# KiCad board LTC6811_ESP32_V3.kicad_pcb (continued)
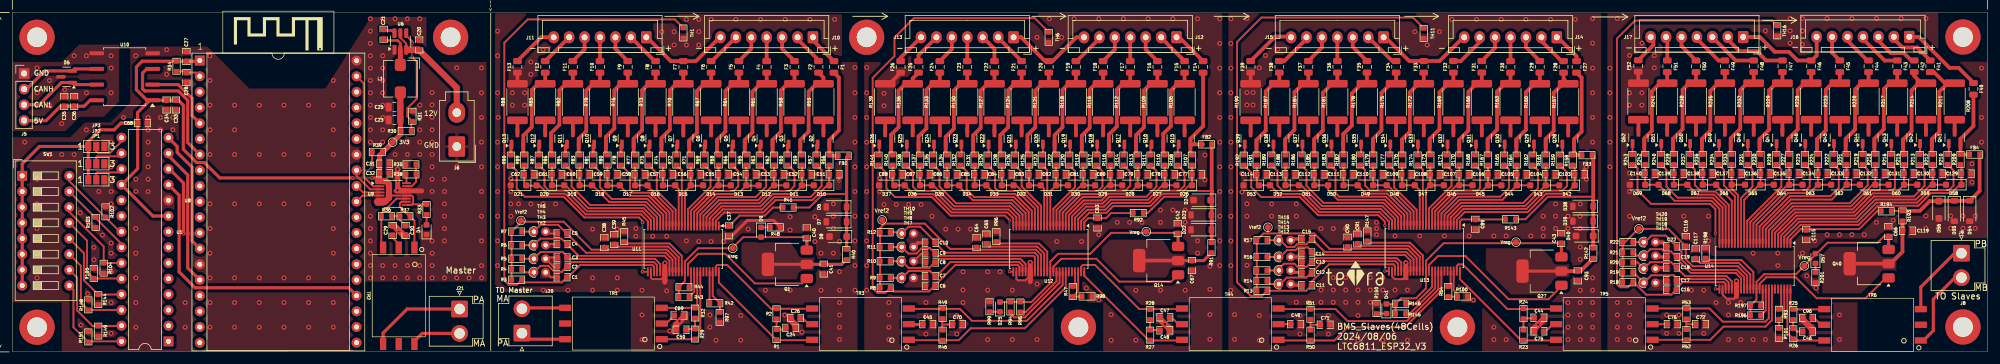
[diagram p0: board, top side]
## Routing (per net, layer and track width the routed paths; a pad name or vN(x,y) marks a point on that pad's centre or on a via; arc(x,y) is an arc through that point)
+3V3: length 167.7
  Top w0.3: 61.23,25.31 U9.12 64.68,25.31 64.92,25.06 64.92,24.02 64.72,23.81 ; 64.72,23.81 64.79,23.88 R33.2 ; 64.72,23.81 U9.9 ; 62.82,37.56 62.83,37.55 ; 63.05,37.36 62.86,37.55
  Top w0.5: v1(58.28,28.16) 59.39,28.16 ; U1.18 22.76,21.99 U1.9 ; 20.3,37.13 20.3,29.66 17.71,27.07 ; JP3.1 4.4,33.26 1.6,30.46 SW1.8 ; JP3.1 JP1.1 ; JP3.1 12.3,34.06 14.2,35.96 16.5,35.96 17.6,37.06 C68.2 ; v1(55.2,28.16) 33.6,28.16 31.11,30.65 29.86,30.65 27.7,32.81 27.7,39.96 26.9,40.76 22.73,40.76 U10.1 ; 23.51,40.75 U10.1 ; U10.1 21.81,40.75 20.1,42.46 20.1,46.16 21.02,47.08 R34.1 26.62,47.06 C27.2 30.25,47.06 U8.1 ; U10.1 22.29,40.75 20.27,38.73 20.27,37.16
  Top w0.8: 59.49,27.93 59.49,31.82 62.86,35.19 62.86,37.55
  Top w1: 62.86,41.75 62.86,37.55 ; 59.22,27.66 60.52,27.66 61.02,27.16 61.02,24.95 60.37,24.31 59.07,24.31
  Bottom w0.5: v1(58.28,28.16) 58.27,28.15 55.21,28.15 v1(55.2,28.16)
/CAN/5V_CAN: length 13.1
  Top w0.5: 1.93,37.45 5.47,37.45 7.8,39.78 C36.2 11.62,39.78 12.59,40.75 U10.8
/PowerSupply/+12V: length 19
  Top w0.3: U6.5 62.86,50.88 63.81,49.93 U6.3
  Top w1: J6.2 72,42.78 65.85,48.93 64.62,48.93 ; 63.96,48.92 63.97,48.93 C20.1
GND: length 14.2
  Top w0.3: 63.85,26.06 U9.13
  Top w0.5: C30.1 63.15,18.88 62.6,19.43 v1(62.6,19.46) 62.58,19.46 C29.2
  Top w0.8: 63.42,26.06 66.3,26.06 ; 63.42,26.06 62.92,26.06 62.42,26.56 v2(62.42,29.56) ; 63.42,26.06 62.5,26.06 v2(62.4,26.16) 62.3,26.06 62.17,26.06
  Top w1: C29.2 61.84,20.43 63.39,18.88 C30.1
  vias: v2(2,33.96) v2(4,27.96) v2(4,23.96) v2(4,19.96) v2(4,15.96) v2(4,11.96) v2(6,31.96) v2(8,31.96) v2(10,31.96) v2(11,22.5) v2(11.1,4.3) v2(12,35.96) v2(12.2,21.2) v2(12.2,9.4) v2(13.2,16.9) v2(13.2,14.9) v2(14,25.96) v2(14.6,18.9) v2(16,33.96) v2(16,29.96) v2(16,27.96) v2(16,25.96) v2(16,23.96) v2(16,17.6) v2(16,15.96) v2(16,12.96) v2(16,7.96) v2(16,2.96) v2(18,37.96) v2(20,47.96) v2(20,27.96) v2(20,25.96) v2(20,19.96) v2(20,15.96) v2(20,11.96) v2(20,7.96) v2(20,3.96) v2(22,37.96) v2(22,35.96) v2(22,33.96) v2(22,31.96) v2(22,29.96) v2(22,27.96) v2(22,25.96) v2(24,37.96) v2(24,35.96) v2(25,48.96) v2(25,44.96) v2(26,37.96) v2(26,35.96) v2(28,7.96) v2(28,3.96) v2(32,47.96) v2(32,43.96) v2(32,39.96) v2(32,35.96) v2(32,31.96) v2(32,23.96) v2(32,19.96) v2(32,15.96) v2(32,11.96) v2(32,7.96) v2(32,3.96) v2(36,39.96) v2(36,35.96) v2(36,31.96) v2(36,23.96) v2(36,11.96) v2(36,7.96) v2(36,3.96) v2(40,39.96) v2(40,31.96) v2(40,23.96) v2(40,11.96) v2(40,7.96) v2(40,3.96) v2(44,39.96) v2(44,31.96) v2(44,23.96) v2(44,11.96) v2(44,7.96) v2(44,3.96) v2(48,39.96) v2(48,31.96) v2(48,23.96) v2(48,11.96) v2(48,7.96) v2(48,3.96) v2(52,43.96) v2(52,39.96) v2(52,35.96) v2(52,31.96) v2(52,23.96) v2(52,19.96) v2(52,15.96) v2(52,11.96) v2(52,7.96) v2(52,3.96) v2(58,53.96) v2(58,51.96) v2(58,49.96) v2(58,47.96) v2(58,45.96) v2(58,43.96) v2(58,41.96) v2(58,39.96) v2(58,37.96) v2(58,35.96) v2(58,33.96) v2(58,21.96) v2(58,19.96) v2(58,17.96) v2(58,15.96) v2(58,13.96) v2(58,11.96) v2(60,53.96) v2(60,47.96) v2(60,45.96) v2(60,43.96) v2(60,41.96) v2(60,39.96) v2(60,37.96) v2(60,35.96) v2(60,33.96) v2(60,13.96) v2(60,11.96) v2(62,53.96) v2(62,31.96) v2(62,13.96) v2(62,11.96) v2(62.42,27.71) v2(64,53.96) v2(64,33.96) v2(64,31.96) v2(64,13.96) v2(64,11.96) v2(66,53.96) v2(66,51.96) v2(66,39.96) v2(66,37.96) v2(66,35.96) v2(66,33.96) v2(66,31.96) v2(66,13.96) v2(66,11.96) v2(68,42) v2(68,40) v2(68,38) v2(68,35.96) v2(68,33.96) v2(68,31.96) v2(68,29.96) v2(68,27.96) v2(68,25.96) v2(68,17.96) v2(68,15.96) v2(68,13.96) v2(68,11.96) v2(70,27.96) v2(70,25.96) v2(70,23.96) v2(70,21.96) v2(70,19.96) v2(70,17.96) v2(70,11.96) v2(72,46) v2(72,30) v2(72,11.96) v2(74,11.96) v2(76,46) v2(76,41.96) v2(76,37.96) v2(76,33.96) v2(76,29.96) v2(76,25.96) v2(76,21.96) v2(76,17.96) v2(76,13.96) v2(76,11.96)
GND_PACK: length 139.2
  Top w0.3: U11.26 103.45,12.01 103.7,11.76 105.1,11.76 105.45,12.1 U11.30 105.45,11.51 105.7,11.26 105.95,11.51 U11.31 ; C1.2 87.19,12.06 TH2.2 ; 225.7,11.76 225.9,11.76 226,11.86 U13.31 U13.30 225.5,12.06 225.2,11.76 224.9,11.76 ; 225.7,11.76 224.9,11.76 ; 225.7,11.76 225.8,11.86 ; C5.2 86.71,19.15 TH5.2 ; TH4.2 86.58,17.45 C4.2 ; 278.9,8.56 279.55,9.21 U14.31 ; 278.9,8.56 277.75,8.56 277.05,9.26 U14.26 ; 278.9,8.56 279.05,8.71 ; C3.2 86.59,15.26 TH3.2 87.69,13.76 C2.2 ; 224.9,11.76 223.96,11.76 223.5,12.22 U13.26 ; TH8.2 147.19,15.86 147.93,15.86 ; U12.26 162.65,11.81 162.9,11.56 164.1,11.56 164.65,12.1 U12.30 U12.31 165.15,11.61
  Top w0.4: 225.8,13.06 225.8,11.86
  Top w0.5: C135.2 v1(290.27,28.86) ; C78.2 v1(189.1,28.76) ; C54.2 v1(121.4,28.76) ; C104.2 v1(250.8,28.76) ; C85.2 v1(158.3,28.76) ; TH9.2 146.69,17.66 C10.2 ; C19.2 266.39,15.36 TH19.2 ; C86.2 v1(153.8,28.76) ; C110.2 v1(222.8,28.76) ; C79.2 v1(184.7,28.76) ; C60.2 v1(94.4,28.76) ; 116.6,18.81 119.05,21.26 123.32,21.26 R48.2 ; C12.2 207.4,12.86 TH13.2 ; C53.2 v1(125.9,28.76) ; v2(255,29.96) 254.65,29.61 C103.2 ; C139.2 v1(271.57,28.86) ; TH20.2 267.35,17.76 C22.2 ; C131.2 v1(308.88,28.86) ; C11.2 207.29,10.76 TH12.2 ; C112.2 v1(213.5,28.76) ; TH15.2 207.29,18.26 C15.2 ; C137.2 v1(280.98,28.86) ; v1(90,28.76) C61.2 ; C87.2 v1(149.4,28.76) ; C136.2 v1(285.68,28.86) ; C14.2 208.93,15.36 ; 208.93,15.36 TH14.2 ; 208.93,15.36 C13.2 ; C58.2 v1(103.4,28.76) ; C84.2 v1(162.7,28.76) ; C105.2 v1(246.1,28.76) ; C18.2 266.5,13.66 ; C56.2 v1(112.3,28.76) ; C52.2 v1(130.4,28.76) ; C130.2 v1(313.57,28.86) ; C132.2 v1(304.27,28.86) ; C82.2 v1(171.5,28.76) ; C111.2 v1(218.1,28.76) ; C59.2 v1(98.9,28.76) ; C134.2 v1(294.98,28.86) ; C133.2 v1(299.57,28.86) ; C80.2 v1(180.4,28.76) ; C55.2 v1(116.9,28.76) ; C62.2 v1(85.5,28.76) ; C106.2 v1(241.5,28.76) ; C88.2 v1(145,28.76) ; 226.7,28.76 v1(227.5,28.76) ; C108.2 v1(232.1,28.76) ; C81.2 v1(175.9,28.76) ; C114.2 v1(204,28.76) ; C83.2 v1(167.05,28.76) ; C140.2 v1(266.98,28.86) ; C107.2 v1(236.9,28.76) ; C138.2 v1(276.27,28.86) ; C57.2 v1(107.8,28.76) ; C113.2 v1(208.7,28.76) ; C51.2 v1(133.9,27.66)
  Top w0.6: 81.83,43.46 F13.2 ; R241.1 263.4,43.55 F52.2 ; F26.2 142.1,43.42 R139.1 ; R190.1 F39.2
  Top w0.8: v2(279.3,11.43) 279.3,8.96 ; 105.7,11.26 v2(105.7,14.36) ; v2(164.9,14.46) 164.9,11.36 ; v2(225.75,14.41) 225.75,13.06
  Top w1: 107.55,4.06 107.55,4.39 v2(108.1,4.94) 108.78,5.62 C69.2 ; C47.2 185.93,5.25 186.7,4.47 v2(186.7,4.46) 186.71,4.46 187.47,3.7 C48.2 ; 246.52,3.3 246.52,3.71 247.2,4.39 v2(247.2,4.4) 247.21,4.4 248.07,5.26 ; C26.2 126.07,5.13 126.88,4.33 C24.2 ; C46.1 291.57,3.67 290.02,5.22 290.02,5.46
  vias: v2(78.6,51.96) v2(78.6,47.96) v2(78.6,41.96) v2(78.6,33.96) v2(78.6,29.96) v2(78.6,25.96) v2(78.6,21.96) v2(78.6,17.96) v2(78.6,13.96) v2(78.7,37.96) v2(80.75,28.06) v2(80.75,25.96) v2(80.75,23.96) v2(80.75,21.96) v2(81,41.96) v2(81,39.96) v2(82,23.96) v2(83,41.96) v2(83,39.96) v2(84,46.96) v2(84,44.96) v2(84,23.96) v2(86,48.96) v2(86,23.96) v2(86,9.96) v2(88,23.96) v2(90,9.96) v2(94,19.86) v2(94,11.96) v2(94,9.96) v2(98,19.86) v2(98,11.96) v2(98,9.96) v2(101,19.96) v2(101,18.71) v2(102,9.96) v2(102,5.96) v2(102,1.96) v2(103.75,18.71) v2(105.2,51.86) v2(106,18.71) v2(106,9.86) v2(106.5,3.36) v2(107.2,51.86) v2(107.2,49.71) v2(109.2,53.86) v2(109.2,49.71) v2(109.2,17.96) v2(111.2,53.86) v2(111.2,51.86) v2(111.2,49.71) v2(111.2,17.86) v2(113,5.96) v2(113,3.96) v2(113.2,53.86) v2(113.2,17.86) v2(114,1.86) v2(115.2,17.86) v2(117.2,53.86) v2(118,5.86) v2(118,1.86) v2(119.2,19.86) v2(121.2,53.86) v2(122,9.96) v2(125.1,5.96) v2(125.2,53.86) v2(126,21.86) v2(126,19.71) v2(126,9.96) v2(127.9,3.16) v2(129.2,53.86) v2(130,21.86) v2(130,17.86) v2(131,15.96) v2(131,9.96) v2(133,23.96) v2(133,21.96) v2(133,19.96) v2(133,15.96) v2(133.2,53.86) v2(134,17.86) v2(134,12.96) v2(134,9.96) v2(134,7.96) v2(134,5.96) v2(134,3.96) v2(134,1.96) v2(136.5,46.06) v2(136.5,41.96) v2(136.5,37.96) v2(136.5,33.96) v2(136.5,29.96) v2(136.5,25.96) v2(136.5,21.96) v2(136.5,17.96) v2(136.5,13.96) v2(136.5,9.96) v2(138.4,46.06) v2(138.4,41.96) v2(138.4,37.96) v2(138.4,33.96) v2(138.4,29.96) v2(138.4,25.96) v2(138.4,21.96) v2(138.4,17.96) v2(138.4,13.96) v2(138.4,9.96) v2(140.5,28.06) v2(140.5,25.96) v2(141.2,41.86) v2(141.2,39.86) v2(141.2,23.86) v2(142,7.96) v2(142,5.96) v2(142,3.96) v2(142,1.96) v2(143.2,23.86) v2(145.2,23.86) v2(147.2,23.86) v2(148,7.96) v2(148,5.86) v2(148,2.86) v2(149,21.96) v2(151.2,19.86) v2(153,5.86) v2(153,2.86) v2(153.2,19.86) v2(154,12.96) v2(154,10) v2(154,7.96) v2(155.2,19.86) v2(158,12.96) v2(158,9.96) v2(158,1.96) v2(160,12.96) v2(162,9.96) v2(162,1.96) v2(166,50.96) v2(166,10.96) v2(166,1.96) v2(168,53.96) v2(169.2,17.86) v2(170,50.96) v2(172,53.96) v2(173.2,17.86) v2(174,10.3) v2(176,53.96) v2(176,18.96) v2(176,8.4) v2(178,6) v2(178,1.86) v2(179,20.96) v2(180,53.96) v2(181,20.96) v2(182,9.96) v2(182,1.86) v2(183,20.96) v2(184,53.96) v2(186,22.96) v2(186,20.96) v2(186,9.96) v2(188,53.96) v2(188,22.96) v2(190,22.96) v2(190,20.96) v2(190,9.96) v2(192,53.96) v2(192,17.96) v2(192,15.96) v2(193.2,31.86) v2(193.2,27.86) v2(194,13.86) v2(194,10.1) v2(194,6) v2(194,2) v2(195.6,53.96) v2(195.6,49.96) v2(195.6,45.96) v2(195.6,41.96) v2(195.6,37.96) v2(195.6,33.96) v2(195.6,29.96) v2(195.6,25.96) v2(195.6,21.96) v2(195.6,17.96) v2(195.6,13.96) v2(197.4,53.96) v2(197.4,49.96) v2(197.4,45.96) v2(197.4,41.96) v2(197.4,37.96) v2(197.4,33.96) v2(197.4,29.96) v2(197.4,25.96) v2(197.4,21.96) v2(197.4,17.96) v2(197.4,13.96) v2(197.4,9.96) v2(198,6) v2(198,2) v2(199.2,28.86) v2(199.2,25.86) v2(200,54) v2(200,42) v2(200,40) v2(200,23.96) v2(200,21.96) v2(200,18) v2(200,14) v2(201,42) v2(201,40) v2(202,46) v2(202,5.86) v2(202,1.86) v2(203,48) v2(204,23.96) v2(204,21.96) v2(205,49) v2(208,23.96) v2(208,21.96) v2(208,8) v2(208.6,5.86) v2(208.6,2.86) v2(210,8) v2(212,19.96) v2(212,10) v2(212,8) v2(213.2,5.86) v2(213.2,2.86) v2(214,19.96) v2(214,12) v2(214,10) v2(214,8) v2(216,19.96) v2(216,12) v2(216,10) v2(216,8) v2(218,19.96) v2(218,12) v2(218,10) v2(218,8) v2(218,5.86) v2(218,1.86) v2(220,12) v2(220,10) v2(220,8) v2(221,20.96) v2(221,19.96) v2(221,18.96) v2(222,12) v2(222,10) v2(222,1.86) v2(224,18.76) v2(224,10) v2(226,10) v2(226,1.86) v2(227.2,51.86) v2(228,18.76) v2(229.2,49.71) v2(231.2,51.86) v2(232,18.76) v2(233.2,53.86) v2(234.8,10.16) v2(236,18.76) v2(236.7,8.36) v2(237.2,53.86) v2(240,18.76) v2(240,3.96) v2(240,1.96) v2(241.2,53.86) v2(242,18.76) v2(242,1.96) v2(245.2,53.86) v2(246,18.76) v2(248,21.96) v2(248,19.96) v2(248,18.76) v2(249.2,53.86) v2(250,23.96) v2(250,21.96) v2(250,19.96) v2(252,21.96) v2(252,19.96) v2(252,7.96) v2(252,5.96) v2(252,3.96) v2(252,1.96) v2(253.2,53.86) v2(254,23.96) v2(254,21.96) v2(254,19.96) v2(254,16.96) v2(254,14.96) v2(254,9.96) v2(254,7.96) v2(254,5.96) v2(254,3.96) v2(254,1.96) v2(255,27.96) v2(256,54) v2(256,50) v2(256,45.96) v2(256,41.96) v2(256,37.96) v2(256,33.96) v2(256,11.96) v2(256,9.96) v2(256,7.96) v2(256,5.96) v2(256,3.96) v2(256,1.96) v2(258.8,45.96) v2(258.8,41.96) v2(258.8,37.96) v2(258.8,33.96) v2(258.8,29.96) v2(260,54) v2(260,7.96) v2(260,5.96) v2(260,3.96) v2(260,1.96) v2(262,48) v2(262,46) v2(261.98,41.96) v2(261.98,39.96) v2(261.98,28.96) v2(261.98,25.96) v2(262,21.96) v2(262,7.96) v2(262,5.96) v2(262,3.96) v2(262,1.96) v2(264,50) v2(263.98,41.96) v2(263.98,39.96) v2(266,48) v2(266,46) v2(266.77,21.96) v2(268,5.96) v2(268,2.96) v2(270,5.96) v2(270,2.96) v2(270.77,21.96) v2(272,9.96) v2(274,9.96) v2(274,5.96) v2(274,2.96) v2(274.77,21.96) v2(274.8,17.96) v2(276,7.96) v2(278,7.96) v2(278,5.96) v2(278,1.96) v2(280,7.96) v2(280,5.96) v2(280,1.96) v2(282,15.96) v2(282,1.96) v2(284,52) v2(284,1.96) v2(286,15.96) v2(286,13.96) v2(288,54) v2(288,52) v2(288,50) v2(290,54) v2(290,52) v2(289.98,49.81) v2(290,15.96) v2(290.7,12.3) v2(291.98,17.96) v2(292.2,10.3) v2(294,54) v2(294,18.96) v2(296,18.96) v2(296,5.96) v2(296,1.96) v2(298,54) v2(298,18.96) v2(300,18.96) v2(302,54) v2(301.98,20.96) v2(304.7,21.3) v2(306,54) v2(310,54) v2(310,22) v2(310,20) v2(312,20) v2(314,22) v2(314,20) v2(316,22) v2(316,20) v2(317.48,30.46) v2(317.48,27.46) v2(318,22) v2(318,20) v2(319,45.96) v2(319,37.96) v2(319,33.96)
/CAN/CAN_GND: length 0
  Top w0.5: 1.93,45.07 J5.1
  vias: v2(4,45.96) v2(4,41.96) v2(6,43.96) v2(6,39.96) v2(8,36.96) v2(8.5,42.46) v2(10,47.96) v2(12,47.96) v2(12,41.96) v2(16,47.96) v2(16,45.96) v2(16,41.96)
/CAN/CANH: length 13.1
  Top w0.5: U10.6 10.06,45.83 D5.2 5.25,45.51 2.3,42.56 J5.2
/CAN/CANL: length 13.4
  Top w0.5: J5.3 4.36,40.02 7.95,43.61 D5.1 10.06,43.29 U10.7
/CAN/RXD: length 11.9
  Top w0.5: U8.5 29.11,38.27 29.11,41.04 26.87,43.29 U10.2
/CAN/TXD: length 23.2
  Top w0.5: 23.73,45.83 U10.3 21.77,45.83 21.1,45.16 21.1,42.6 21.44,42.26 26.91,42.26 28.42,40.75 28.42,33.89 U8.7
/MCU/HSPI_CS: length 45.2
  Top w0.5: U1.11 27.02,25.35 27.02,12.94 29.6,10.36 54.48,10.36 U8.23
/MCU/HSPI_MISO: length 20.1
  Top w0.5: U8.13 29.11,17.95 29.11,29.89 26.7,32.3 26.7,33.26 25.3,34.66 U1.14
/MCU/HSPI_MOSI: length 22.6
  Top w0.5: U1.13 25.3,31.76 28.42,28.64 28.42,13.57 U8.15
/MCU/HSPI_SCK: length 14.2
  Top w0.5: U1.12 25.45,29.61 27.72,27.34 v1(27.72,19.11)
  Bottom w0.5: v1(27.72,19.11) 30.36,19.11 30.36,19.12
/MCU/IM: length 9.4
  Top w0.3: TR2.1 65.14,21.24 R37.1 64.3,21.96 62.78,23.48 62.78,24.06 63.02,24.31 U9.10
/MCU/IP: length 10.7
  Top w0.3: TR2.3 59.78,17.16 59.78,22.35 62.24,24.81 U9.11
/MCU/MA: length 8.7
  Top w0.5: TR2.6 65.14,1.7 66.4,2.96 68,2.96 68,2.96 72.85,2.96
/MCU/NRST: length 4.1
  Top w0.3: R34.2 28,45.43 C28.2 29.77,45.23 U8.2
/MCU/PA: length 16.2
  Top w0.5: 72.85,6.92 63.96,6.92 60.06,3.02 TR2.4
/MCU/VSPI_CS: length 4.2
  Top w0.3: U9.5 56.75,25.31 U8.29
/MCU/VSPI_MISO: length 11
  Top w0.3: v1(58.28,29.95) 58.28,32.26 58.38,32.36 ; U9.3 57.95,26.31 55.77,28.49 U8.31
  Bottom w0.3: v1(58.28,29.95) 57.73,29.4 U8.31 55.89,29.28
/MCU/VSPI_MOSI: length 20.1
  Top w0.3: U9.2 58.45,26.81 56.9,28.36 56.9,28.91 56.92,28.92 56.92,29.87 56.9,29.89 56.9,31.45 56.92,31.46 56.92,43.49 U8.37
/MCU/VSPI_SCK: length 4.2
  Top w0.3: U9.4 56.81,25.81 U8.30
/Slaves/LTC6811_1/BAT+: length 25.1
  Top w0.3: R41.1 129.11,23.36 131.31,25.56 135.05,25.56
  Top w0.5: FB1.1 135.15,31.48 D6.1 135.15,16.63 R40.1 135.18,16.66 ; 135.53,31.76 135.4,31.63
/Slaves/LTC6811_1/C1: length 5.5
  Top w0.6: J11.1 90.19,50.96 F12.1
/Slaves/LTC6811_1/C1_G: length 7.5
  Top w0.6: J11.0 85.66,50.96 81.83,47.12 F13.1
/Slaves/LTC6811_1/C2: length 4.6
  Top w0.6: J11.2 92.7,49 F11.1
/Slaves/LTC6811_1/C3: length 3.9
  Top w0.6: F10.1 J11.3
/Slaves/LTC6811_1/C4: length 4.7
  Top w0.6: F9.1 97.7,49.1 J11.4
/Slaves/LTC6811_1/C5: length 5.6
  Top w0.6: J11.5 104.06,47.1 F8.1
/Slaves/LTC6811_1/C6: length 15.2
  Top w0.6: J10.0 114.6,50.96 110.74,47.1 F7.1 106.66,47.1 102.8,50.96 J11.6
/Slaves/LTC6811_1/C7: length 5.6
  Top w0.6: J10.1 113.34,47.1 F6.1
/Slaves/LTC6811_1/C8: length 4.7
  Top w0.6: F5.1 119.7,49.1 J10.2
/Slaves/LTC6811_1/C9: length 3.9
  Top w0.6: J10.3 F4.1
/Slaves/LTC6811_1/C10: length 4.7
  Top w0.6: F3.1 124.7,49.1 J10.4
/Slaves/LTC6811_1/C11: length 5.3
  Top w0.6: J10.5 127.2,50.66 130.6,47.26 F2.1
/Slaves/LTC6811_1/C12: length 5.3
  Top w0.6: J10.6 129.7,50.46 133.06,47.1 F1.1
/Slaves/LTC6811_1/cell1/C: length 26.5
  Top w0.3: R89.1 82.92,26.9 85.42,26.9 86.71,25.61 89.54,25.61 92.89,22.26 101.84,22.26 102.95,21.15 U11.24
/Slaves/LTC6811_1/cell1/C+: length 15.5
  Top w0.6: F12.2 86.33,43.46 85.2,43.46 84.15,42.41 84.15,36.41 82.78,35.03 Q13.2 82.78,32.03 R89.2
/Slaves/LTC6811_1/cell1/S: length 35.8
  Top w0.3: v3(102.1,20.96) 102.1,21.16 101.5,21.76 92.68,21.76 89.33,25.11 83.05,25.11 81.7,26.46 81.7,29.31 R90.1 ; U11.25 102.11,12.95 v3(102.1,12.96)
  Bottom w0.3: v3(102.1,12.96) v3(102.1,20.96)
/Slaves/LTC6811_1/cell2/C: length 23.3
  Top w0.3: U11.22 103.95,21.56 102.26,23.26 93.3,23.26 89.66,26.9 87.42,26.9 R86.1
/Slaves/LTC6811_1/cell2/C+: length 15.5
  Top w0.6: F11.2 90.8,43.46 89.7,43.46 88.62,42.38 88.62,36.78 87.28,35.43 Q12.2 87.28,32.03 R86.2
/Slaves/LTC6811_1/cell2/S: length 24.3
  Top w0.3: R87.1 86.2,29.33 86.2,26.83 86.92,26.11 89.74,26.11 93.09,22.76 102.05,22.76 103.45,21.36 U11.23
/Slaves/LTC6811_1/cell3/C: length 20
  Top w0.3: U11.20 104.95,21.98 102.67,24.26 96.7,24.26 94.06,26.9 91.9,26.9 R83.1
/Slaves/LTC6811_1/cell3/C+: length 15.5
  Top w0.6: R83.2 91.75,32.03 Q11.2 91.75,34.51 92.97,35.73 92.97,42.33 94.1,43.46 95.2,43.46 F10.2
/Slaves/LTC6811_1/cell3/S: length 21.2
  Top w0.3: R84.1 89.62,30.23 90.6,29.26 90.6,26.76 93.6,23.76 102.46,23.76 104.45,21.77 U11.21
/Slaves/LTC6811_1/cell4/C: length 16.8
  Top w0.3: U11.18 105.95,22.39 103.08,25.26 100.04,25.26 98.4,26.9 96.4,26.9 R80.1
/Slaves/LTC6811_1/cell4/C+: length 15.6
  Top w0.6: F9.2 99.7,43.46 98.6,43.46 97.53,42.38 97.53,36.18 96.15,34.81 Q10.2 96.15,32.13 R80.2
/Slaves/LTC6811_1/cell4/S: length 17.9
  Top w0.3: R81.1 95.2,29.13 95.2,26.66 97.1,24.76 102.88,24.76 105.45,22.19 U11.19
/Slaves/LTC6811_1/cell5/C: length 13.5
  Top w0.3: R77.1 D17.1 102.8,26.96 106.95,22.81 U11.16
/Slaves/LTC6811_1/cell5/C+: length 15.6
  Top w0.6: R77.2 100.65,32.13 Q9.2 100.65,34.51 102.03,35.88 102.03,42.38 103.1,43.46 104.2,43.46 F8.2
/Slaves/LTC6811_1/cell5/S: length 14.7
  Top w0.3: R78.1 100.05,28.78 100.05,26.31 100.6,25.76 103.29,25.76 106.45,22.6 U11.17
/Slaves/LTC6811_1/cell6/C: length 12.1
  Top w0.3: U11.14 107.95,26.35 107.4,26.9 105.4,26.9 C57.1 R74.1
/Slaves/LTC6811_1/cell6/C+: length 15.6
  Top w0.6: F7.2 108.7,43.46 107.6,43.46 106.53,42.38 106.53,35.98 105.15,34.61 Q8.2 105.15,32.13 R74.2
/Slaves/LTC6811_1/cell6/S: length 11.7
  Top w0.3: U11.15 107.45,23.01 104.4,26.06 104.4,28.93 R75.1
/Slaves/LTC6811_1/cell7/C: length 12.3
  Top w0.3: 109.9,26.9 111.9,26.9 ; 109.9,26.9 R71.1 ; 109.9,26.9 108.95,25.95 U11.12
/Slaves/LTC6811_1/cell7/C+: length 15.6
  Top w0.6: R71.2 109.65,32.13 Q7.2 109.65,34.21 110.9,35.46 110.9,42.26 112.1,43.46 113.2,43.46 F6.2
/Slaves/LTC6811_1/cell7/S: length 10.2
  Top w0.3: R72.1 108.45,29.38 U11.13
/Slaves/LTC6811_1/cell8/C: length 14
  Top w0.3: 114.4,26.9 R68.1 ; 114.4,26.9 116.4,26.9 ; 114.4,26.9 113.98,26.9 109.95,22.87 U11.10
/Slaves/LTC6811_1/cell8/C+: length 15.5
  Top w0.6: F5.2 117.7,43.46 116.7,43.46 115.53,42.28 115.53,35.68 114.15,34.31 Q6.2 114.15,32.13 R68.2
/Slaves/LTC6811_1/cell8/S: length 11.8
  Top w0.3: R69.1 113.1,29.23 113.1,26.73 109.45,23.08 U11.11
/Slaves/LTC6811_1/cell9/S: length 15
  Top w0.3: R66.1 117.6,29.23 117.6,26.8 116.86,26.06 113.85,26.06 110.45,22.66 U11.9
/Slaves/LTC6811_1/cell10/C: length 20.4
  Top w0.3: R62.1 D12.1 D11.2 ; 123.4,26.9 123.14,26.9 120.8,24.56 114.47,24.56 111.95,22.04 U11.6
/Slaves/LTC6811_1/cell10/C+: length 15.6
  Top w0.6: R62.2 123.15,32.13 Q4.2 123.15,34.31 124.5,35.66 124.5,42.36 125.6,43.46 126.7,43.46 F3.2
/Slaves/LTC6811_1/cell10/C-: length 15.5
  Top w0.6: F4.2 122.2,43.46 121.2,43.46 119.9,42.16 119.9,35.56 118.65,34.31 Q5.2 118.65,32.13 R65.2
/Slaves/LTC6811_1/cell10/CM: length 17.2
  Top w0.3: 120.9,26.9 118.9,26.9 ; R65.1 D13.1 117.5,25.56 114.05,25.56 110.95,22.45 U11.8
/Slaves/LTC6811_1/cell10/S: length 18.3
  Top w0.3: U11.7 111.45,22.25 114.26,25.06 120.42,25.06 122.1,26.74 122.1,29.23 R63.1
/Slaves/LTC6811_1/cell11/C: length 23.6
  Top w0.3: 127.9,26.9 126.56,25.56 123.21,25.56 121.21,23.56 114.88,23.56 112.95,21.63 U11.4 ; D10.2 D11.1 R59.1
/Slaves/LTC6811_1/cell11/C+: length 16
  Top w0.6: F2.2 131.4,44.42 R55.1 130.26,43.42 129,42.16 129,35.66 127.65,34.31 Q3.2 127.65,32.13 R59.2
/Slaves/LTC6811_1/cell11/S: length 21.7
  Top w0.3: R60.1 125.72,30.23 126.7,29.26 126.7,26.86 125.9,26.06 123.01,26.06 121.01,24.06 114.68,24.06 112.45,21.83 U11.5
/Slaves/LTC6811_1/cell12/C: length 24.8
  Top w0.3: 132.32,26.9 131.94,26.9 129.6,24.56 123.63,24.56 121.63,22.56 115.3,22.56 113.95,21.21 U11.2 ; D10.1 132.32,30.21
/Slaves/LTC6811_1/cell12/C+: length 15.9
  Top w0.5: 133.88,31.76 132.47,31.76 R56.2
  Top w0.6: R56.2 Q2.2 132.35,34.31 133.9,35.86 133.9,44.42 F1.2
/Slaves/LTC6811_1/cell12/S: length 24.7
  Top w0.3: R57.1 131.1,29.43 131.1,26.86 129.3,25.06 123.42,25.06 121.42,23.06 115.09,23.06 113.45,21.42 U11.3
/Slaves/LTC6811_1/DRIVE: length 23.5
  Top w0.3: U11.38 109.45,14.21 111.1,15.86 115.5,15.86 120.3,11.06 127.9,11.06 Q1.1
/Slaves/LTC6811_1/IMA: length 11.4
  Top w0.3: U11.41 110.95,7.43 R32.1 110.59,7.1 TR1.3
  Top w0.5: R32.1 110.57,7.11
/Slaves/LTC6811_1/IMB: length 19.4
  Top w0.3: U11.47 113.95,13.79 114.22,14.06 115.8,14.06 122.9,6.96 129.42,6.96
/Slaves/LTC6811_1/IPA: length 16.9
  Top w0.3: U11.42 111.45,2.68 110.6,1.83 ; TR1.1 110.59,2.02 R29.2
/Slaves/LTC6811_1/IPB: length 20.6
  Top w0.3: 129.44,1.86 123.8,1.86 114.45,11.21 U11.48
/Slaves/LTC6811_1/T1: length 96.8
  Top w0.3: TH1.1 107.32,53.86 83.5,53.86 79.7,50.06 79.7,11.57 80.44,10.83 81.7,10.83 R3.2 82.95,11.23 89,11.23 C1.1 90,12.06 91.97,14.03 103.7,14.03 103.95,13.79 U11.27
/Slaves/LTC6811_1/T2: length 24.9
  Top w0.3: R4.1 83.03,12.86 TH2.1 85.55,13.91 86.84,13.91 87.81,12.93 89,12.93 C2.1 90.6,14.53 103.91,14.53 104.45,13.99 U11.28
/Slaves/LTC6811_1/T3: length 25.1
  Top w0.3: U11.29 104.95,14.2 104.12,15.03 90.05,15.03 C3.1 89.83,15.49 89.16,16.16 85.57,16.16 84.45,15.05 ; 84.45,15.06 R5.1
/Slaves/LTC6811_1/T4: length 27.6
  Top w0.3: R6.1 84.45,17.26 85.52,18.32 88.95,18.32 C4.1 91.74,15.53 105.62,15.53 106.45,14.71 U11.32
/Slaves/LTC6811_1/T5: length 29.2
  Top w0.3: 84.45,19.45 85.57,20.56 88.42,20.56 C5.1 92.94,16.03 105.83,16.03 106.95,14.92 U11.33 ; 84.45,19.46 R7.1
/Slaves/LTC6811_1/Vref2: length 39.7
  Top w0.3: U11.34 107.45,15.12 106.04,16.53 93.82,16.53 89.3,21.06 82.47,21.06 R7.2 R3.1
/Slaves/LTC6811_1/Vreg: length 29.6
  Top w0.3: C40.1 128.62,18.56 118.4,18.56 116.6,16.76 111.1,16.76 108.95,14.61 U11.37 108.95,11.43 R44.2 R43.2
  Top w0.5: Q1.3 C40.1
/Slaves/LTC6811_2/BAT+: length 28.7
  Top w0.3: 194.55,26.06 190.51,26.06 189.56,25.11 186.57,25.11 184.57,23.11 184.55,23.11 183.9,22.46 R92.1
  Top w0.6: FB2.1 194.3,17.73
/Slaves/LTC6811_2/C1: length 5.1
  Top w0.6: 149.7,50.98 149.7,50.95 146.8,48.05 F25.1
/Slaves/LTC6811_2/C1_G: length 5.3
  Top w0.6: 147.2,50.98 J13.0 143.9,47.66 F26.1
/Slaves/LTC6811_2/C2: length 4.7
  Top w0.6: F24.1 152.2,49.05 152.2,50.98
/Slaves/LTC6811_2/C3: length 3.9
  Top w0.6: F23.1 154.7,50.98
/Slaves/LTC6811_2/C4: length 4.7
  Top w0.6: F22.1 159.1,49.08 157.2,50.98
/Slaves/LTC6811_2/C5: length 5.5
  Top w0.6: F21.1 159.7,50.9 159.7,50.98
/Slaves/LTC6811_2/C6: length 14.6
  Top w0.6: J12.0 172.39,50.96 168.53,47.1 F20.1 167.29,47.1 163.4,50.98 162.2,50.98
/Slaves/LTC6811_2/C7: length 5.5
  Top w0.6: F19.1 172.44,47.1 176.1,50.76 J12.1
/Slaves/LTC6811_2/C8: length 4.6
  Top w0.6: J12.2 178.6,49 F18.1
/Slaves/LTC6811_2/C9: length 3.9
  Top w0.6: J12.3 F17.1
/Slaves/LTC6811_2/C10: length 4.6
  Top w0.6: F16.1 183.6,49 J12.4
/Slaves/LTC6811_2/C11: length 5.4
  Top w0.6: J12.5 186.1,50.9 F15.1
/Slaves/LTC6811_2/C12: length 5.9
  Top w0.6: J12.6 189.04,50.96 F14.1
/Slaves/LTC6811_2/cell1/C: length 26.3
  Top w0.3: R140.1 142.6,26.96 D36.2 145.95,25.56 149.19,25.56 152.19,22.56 161.21,22.56 162.15,21.62 U12.24
/Slaves/LTC6811_2/cell1/C+: length 16
  Top w0.6: F25.2 145.85,44.27 R136.1 144.66,43.42 143.57,42.33 143.57,36.38 142.35,35.16 Q26.2 142.35,32.13 R140.2
/Slaves/LTC6811_2/cell1/S: length 35.4
  Top w0.3: U12.25 161.56,12.95 v1(161.55,12.96) ; v1(161.55,21.31) 160.8,22.06 151.98,22.06 148.98,25.06 143,25.06 141.6,26.46 141.6,28.96 140.32,30.23 R141.1
  Bottom w0.3: v1(161.55,12.96) v1(161.55,21.31)
/Slaves/LTC6811_2/cell2/C: length 23.1
  Top w0.3: R137.1 D36.1 D35.2 149.2,26.96 152.6,23.56 161.62,23.56 163.15,22.03 U12.22
/Slaves/LTC6811_2/cell2/C+: length 15.6
  Top w0.6: R137.2 146.8,32.13 Q25.2 146.8,34.91 148.07,36.18 148.07,42.43 149.06,43.42 R133.1 F24.2
/Slaves/LTC6811_2/cell2/S: length 24.2
  Top w0.3: U12.23 162.65,21.82 161.41,23.06 152.39,23.06 149.39,26.06 146.59,26.06 145.9,26.75 145.9,29.16 144.82,30.23 R138.1
/Slaves/LTC6811_2/cell3/C: length 20
  Top w0.3: R134.1 D35.1 D34.2 153.4,26.75 155.59,24.56 162.04,24.56 164.15,22.44 U12.20
/Slaves/LTC6811_2/cell3/C+: length 15.5
  Top w0.6: F23.2 R130.1 153.61,43.42 152.53,42.33 152.53,36.13 151.2,34.81 Q24.2 151.2,32.13 R134.2
/Slaves/LTC6811_2/cell3/S: length 21.1
  Top w0.3: U12.21 163.65,22.24 161.83,24.06 152.9,24.06 150.2,26.76 150.2,29.26 149.22,30.23 R135.1
/Slaves/LTC6811_2/cell4/C: length 16.7
  Top w0.3: U12.18 165.15,22.86 162.45,25.56 159.2,25.56 D33.2 D34.1 R131.1
/Slaves/LTC6811_2/cell4/C+: length 15.5
  Top w0.6: F22.2 R127.1 157.96,43.42 156.88,42.33 156.88,36.28 155.65,35.06 Q23.2 155.65,32.13 R131.2
/Slaves/LTC6811_2/cell4/S: length 18.2
  Top w0.3: U12.19 164.65,22.65 162.24,25.06 155.8,25.06 154.6,26.26 154.6,29.23 R132.1
/Slaves/LTC6811_2/cell5/C: length 13.6
  Top w0.3: U12.16 166.15,23.41 162.6,26.96 D32.2 D33.1 R128.1
/Slaves/LTC6811_2/cell5/C+: length 15.5
  Top w0.6: F21.2 R124.1 162.36,43.42 161.32,42.38 161.32,36.38 160.05,35.11 Q22.2 160.05,32.13 R128.2
/Slaves/LTC6811_2/cell5/S: length 14.8
  Top w0.3: R129.1 159.2,29.03 159.2,26.56 159.7,26.06 162.79,26.06 165.65,23.2 U12.17
/Slaves/LTC6811_2/cell6/C: length 12
  Top w0.3: R125.1 D32.1 D31.2 167.15,26.41 U12.14
/Slaves/LTC6811_2/cell6/C+: length 15.5
  Top w0.6: R125.2 164.45,32.13 Q21.2 164.45,35.11 165.72,36.38 165.72,42.33 166.81,43.42 R121.1 F20.2
/Slaves/LTC6811_2/cell6/S: length 11.6
  Top w0.3: U12.15 166.65,23.65 163.5,26.8 163.5,29.13 R126.1
/Slaves/LTC6811_2/cell7/C: length 12.2
  Top w0.3: U12.12 168.15,26.01 D31.1 ; D31.1 D30.2 ; D31.1 R122.1
/Slaves/LTC6811_2/cell7/C+: length 15.6
  Top w0.6: F19.2 R118.1 171.11,43.42 170.12,42.43 170.12,36.38 168.85,35.11 Q20.2 168.85,32.13 R122.2
